# Altium PCB Shield.PcbDoc
Units mm, origin at the board's own origin, x right, y up, seen from the top; angles counter-clockwise.
Board outline 70 x 82.5 mm, 2 copper layers (Top Layer, Bottom Layer), stack 1.584 mm thick; 59 components, 70 nets, 287 pads, 388 vias.
Unrouted connection lines stored in the file: 28.
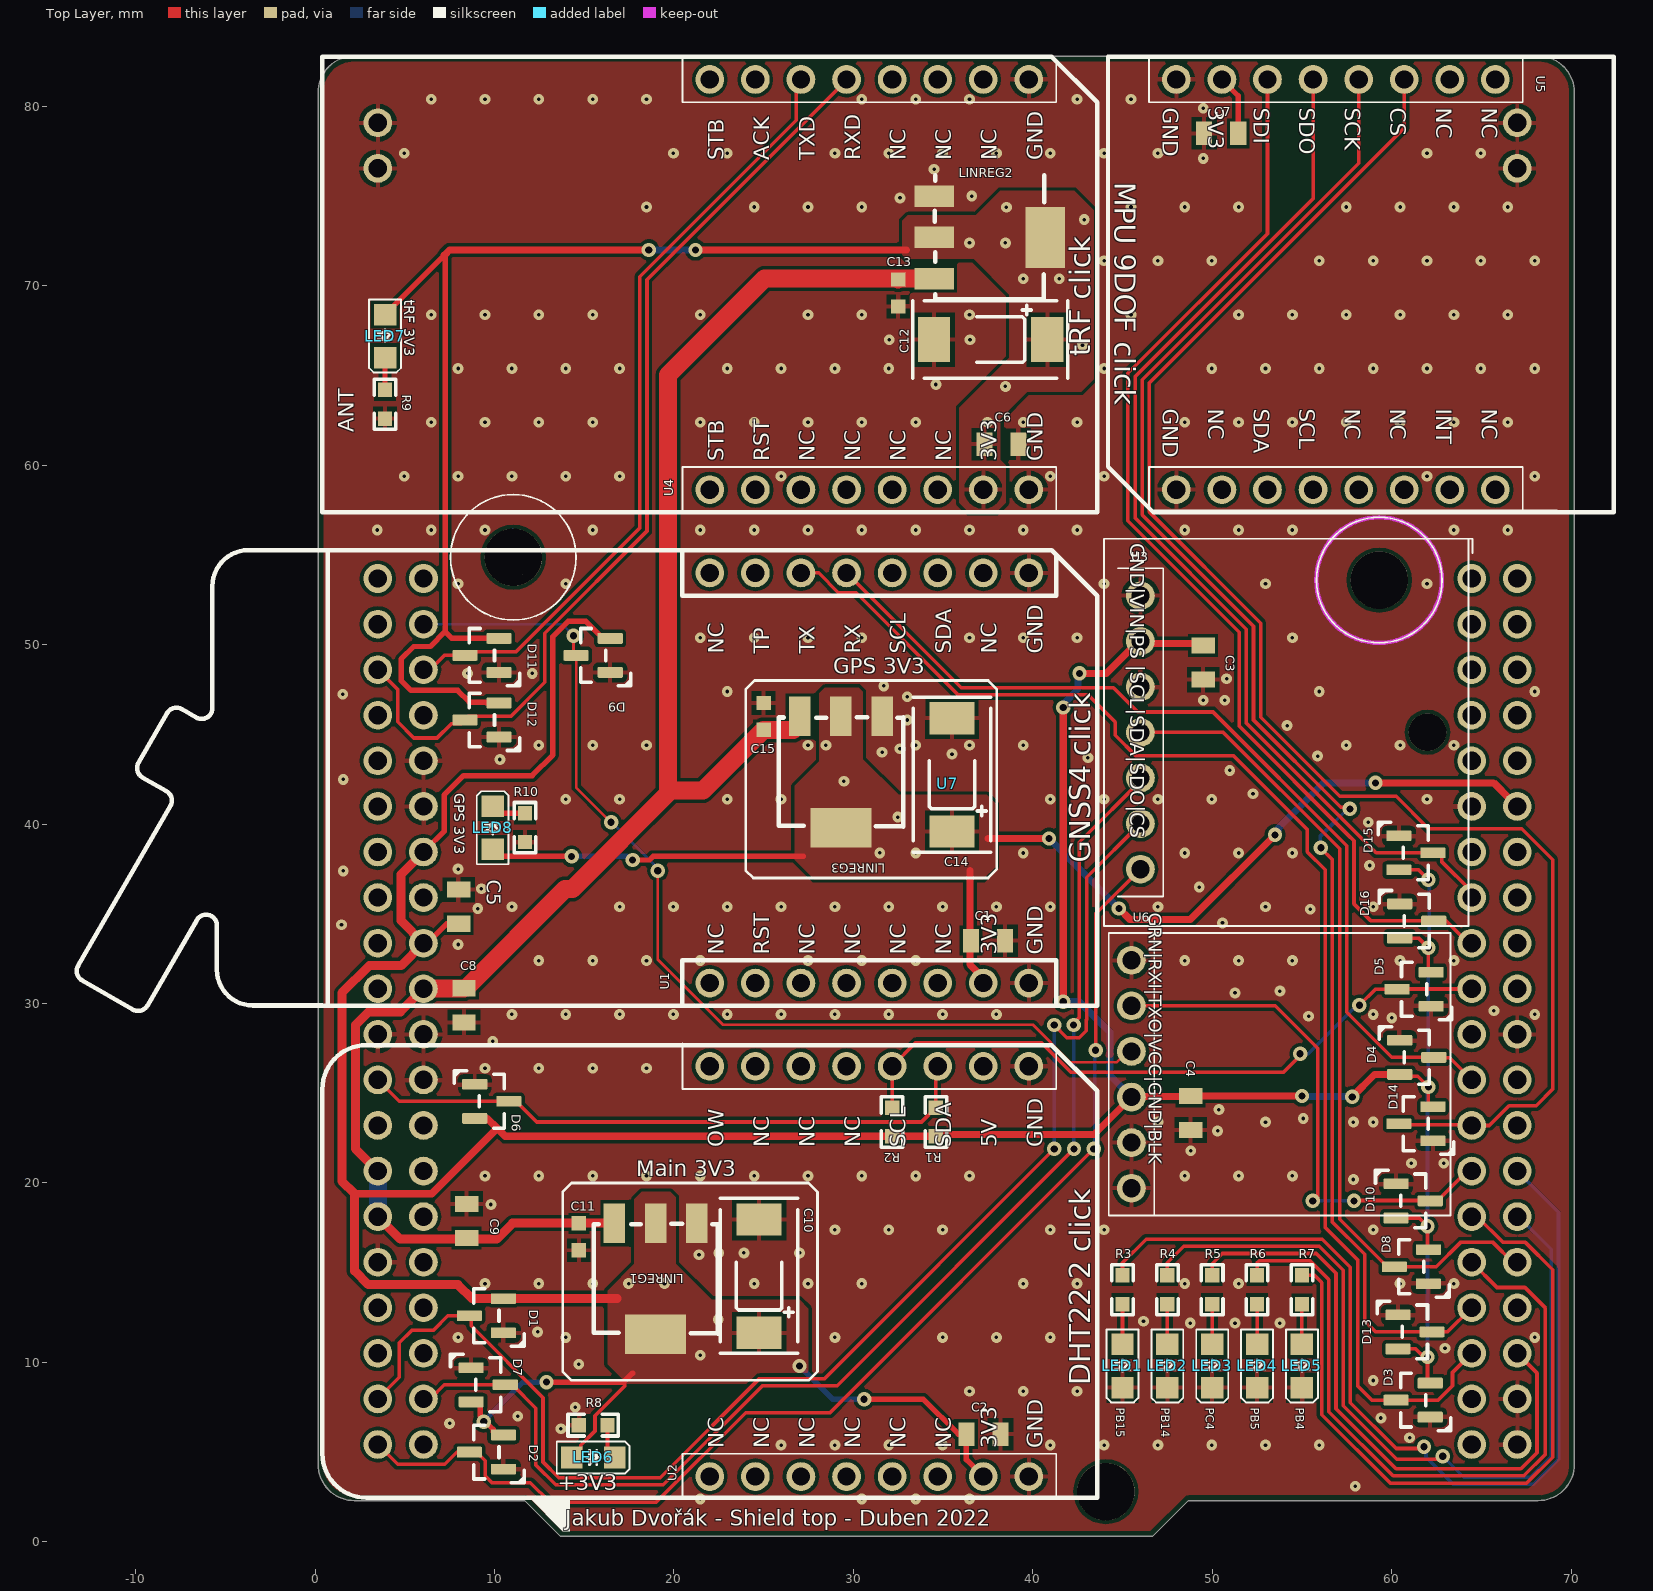
[diagram p0: Top Layer view]
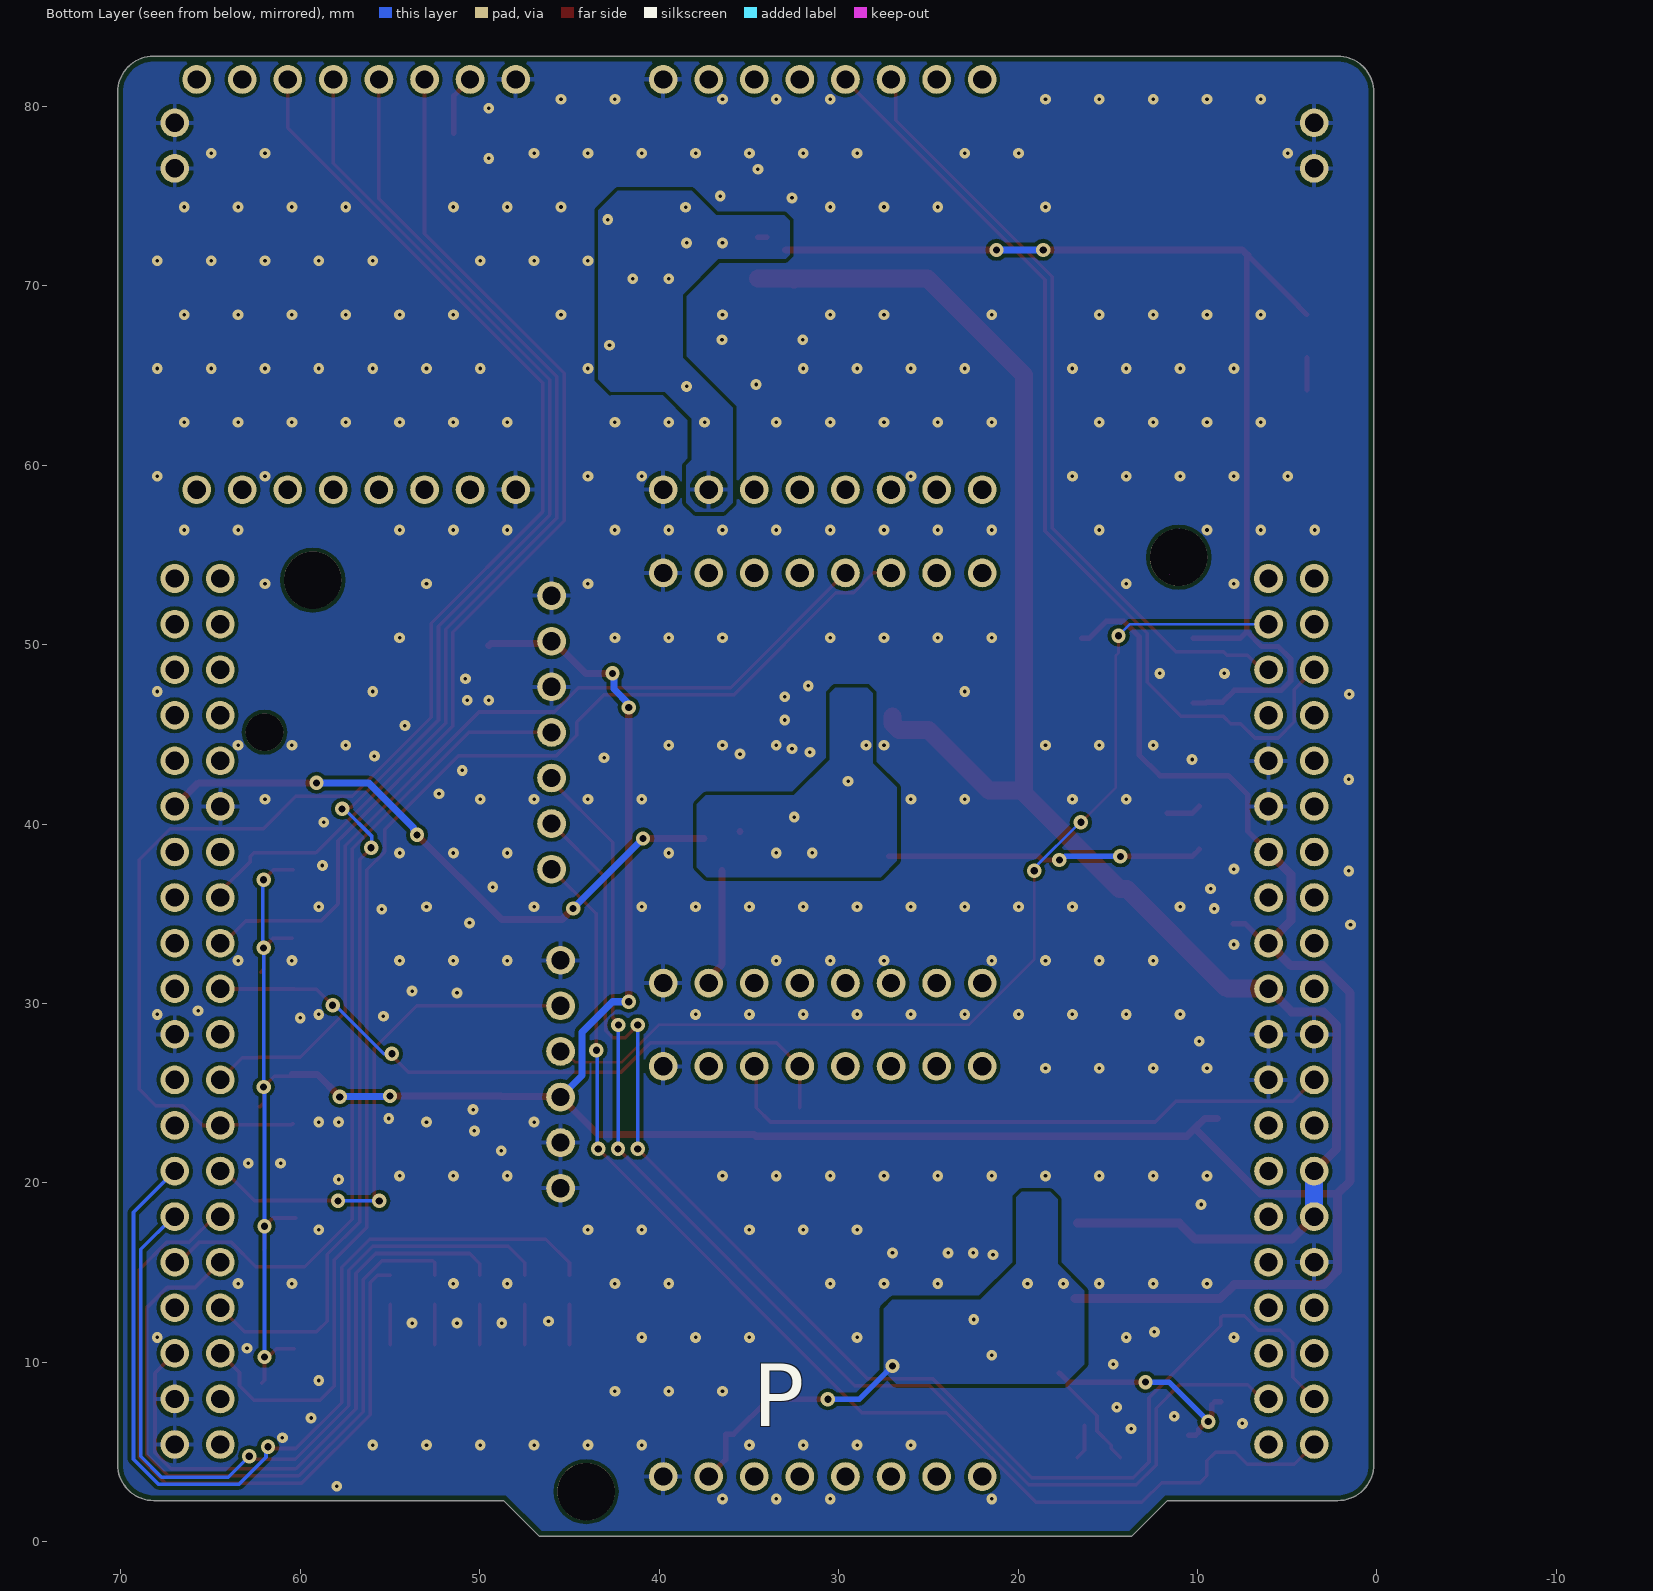
[diagram p1: Bottom Layer view, seen from below]

## Layer stack, top to bottom
Top Solder Mask: solder mask 0.005, Solder Resist, Dk 3.5
Top Layer: signal copper 0.035
Dielectric 1: core 1.514, FR-4, Dk 4.2
Bottom Layer: signal copper 0.035
Botom Solder Mask: solder mask 0.005, Solder Resist, Dk 3.5

## Board outline
2.178,2.3 11.678,2.3 13.678,0.3 46.678,0.3 48.678,2.3 68.178,2.3 ccw(c68.178,4.3) 70.178,4.3 70.178,57.3 70.178,80.8 ccw(c68.178,80.8) 68.178,82.8 2.178,82.8 ccw(c2.178,80.8) 0.178,80.8 0.178,57.3 0.178,4.3 ccw(c2.178,4.3)
cut-out: 11,56.5
cut-out: 11.575,53.9

## Design rules (kind name [scope] priority, off if disabled: settings)
AssemblyTestPointUsage [All] p1 off:
AssemblyTestpoint [All] p1 off: testpointundercomponent=TRUE minsize=1.016 maxsize=2.54 preferedsize=1.524 minholesize=0 maxholesize=1.016 preferedholesize=0.813 testpointgrid=0.025 usegrid=TRUE gridtolerance=0 allowsidetop=TRUE allowsidebottom=TRUE
BoardOutlineClearance X_BoardOutlineClearance [HasFootprint('MOUSE_BITES_3X_2_4MM') or  HasFootprint('MOUSE_BITES_5X_2_4MM') or HasFootprint('IN_TAB_2_4_EXT')] p1: gap=0 ignorepadtopadclearanceinfootprint=FALSE // Excluded components
BoardOutlineClearance [All] p2: gap=0.3 ignorepadtopadclearanceinfootprint=FALSE
Clearance "NPT Hole" [(InPadClass('NPTH'))] p1: gap=0.3 ignorepadtopadclearanceinfootprint=FALSE except(0: Arc-Hole Track-Hole SMDPad-Hole THPad-Hole Via-Hole Fill-Hole Poly-Hole Region-Hole Text-Hole) // Copper Clearance to NPT Hole
Clearance [All] p2: gap=0.2 ignorepadtopadclearanceinfootprint=FALSE except(0: Arc-Hole Track-Hole SMDPad-Hole THPad-Hole Via-Hole Fill-Hole Poly-Hole Region-Hole Text-Hole)
ComponentClearance [Not (HasFootprint('PASTE_STENCIL')) vs Not (HasFootprint('PASTE_STENCIL'))] p1: gap=0 collisioncheckmode=3 verticalgap=0 showdistances=TRUE
FabricationTestPointUsage [All] p1 off: valid=0 allowmultiple=FALSE
FabricationTestpoint [All] p1 off: side=3 testpointundercomponent=TRUE minsize=1.016 maxsize=2.54 preferedsize=1.524 minholesize=0 maxholesize=1.016 preferedholesize=0.813 testpointgrid=0.025 allowsidetop=TRUE allowsidebottom=TRUE usegrid=TRUE gridtolerance=0
Height [All] p1: minheight=0 maxheight=100 prefheight=12.7
HoleSize [All] p1: absolutevalues=TRUE maxlimit=6 minlimit=0.2 maxpercent=80.000 minpercent=20.000
HoleToHoleClearance [All] p1: gap=0.25 allowstackedmicrovias=TRUE
MinimumAnnularRing [All] p1: minimumring=0.2
MinimumSolderMaskSliver [All] p1: minsoldermaskwidth=0.07
PlaneClearance [All] p1: clearance=0.15
PlaneConnect [All] p1: planeconnectstyle=Relief reliefexpansion=0.5 reliefentries=4 reliefconductorwidth=0.25 reliefairgap=0.25
PolygonConnect "Via Connect" [IsVia] p1: connectstyle=Direct reliefconductorwidth=0.254 reliefentries=4 polygonreliefangle="90 Angle" airgapwidth=0.254 // Via connection style
PolygonConnect [All] p2: connectstyle=Relief reliefconductorwidth=0.25 reliefentries=4 polygonreliefangle="90 Angle" airgapwidth=0.25
RoutingCorners [All] p1: cornerstyle=45-Degree minsetback=2.5 maxsetback=2.5
RoutingVias [All] p1: holewidth=0.4 width=0.8 viastyle="Through Hole" minholewidth=0.2 minwidth=0.6 maxholewidth=1 maxwidth=1.6 useviatemplates=TRUE viatemplateguid#1={26E1B80A-D5C0-4505-9623-F9CB59458B7C} viatemplateguid#2={36E1CC21-96E2-49A4-88B6-F2B68A4AE673} viatemplateguid#3={0111366E-BFF6-48C7-B537-6C96D691991D} viatemplateguid#4={0E0C0ADB-85E7-4A3B-837A-9DB01CC425C1} viatemplateguid#5={2AE59D33-7222-4D26-9EBE-4F327D78EEDC} viatemplateguid#6={04F958C5-3098-48F3-841F-9266846BFB57} viatemplateguid#7={3EBD0A92-59C6-4A03-9F1B-9C85124118A6} viatemplateguid#8={D374DE30-929E-4757-A35D-CCDF97954E77} viatemplateguid#9={7387BB7D-B2C7-482F-BFEA-A07FA82CF54E} viatemplatename#1=v50h15m22 viatemplatename#2=v60h20m28 viatemplatename#3=v80h40m48 viatemplatename#4=v110h70m78 viatemplatename#5=v140h90 viatemplatename#6=v160h100m108 viatemplatename#7=v170h110 viatemplatename#8=v200h130 viatemplatename#9=v260h150
SMDEntry [All] p1: side=TRUE corner=FALSE anyangle=FALSE
SMDEntry ResistorArray_Exit [HasFootprint('CAC-50P200X100-8M')] p2: side=TRUE corner=FALSE anyangle=FALSE
SMDToCorner ResistorArray_NeckDown [HasFootprint('CAC-50P200X100-8M')] p1: distance=78740
SilkToSilkClearance [All] p1: silktosilkclearance=0.1
SilkToSolderMaskClearance [IsPad] p1: minsilkscreentomaskgap=0.1 clearancetoexposedcopper=FALSE
SolderMaskExpansion "PTH Via" [IsVia] p1: expansion=0.075 istentingtop=FALSE soldermaskfromhole=TRUE
SolderMaskExpansion [All] p2: expansion=0.1 istentingtop=FALSE
Width [All] p1: maxlimit=5 minlimit=0.15 preferedwidth=0.3
16 further rules are at their usual default settings.

## Classes and differential pairs
component class U_PSU: C10 C11 C12 C13 C14 C15 LED6 LED7 LED8 LINREG1 LINREG2 LINREG3 R8 R9 R10
component class main: C1 C2 C3 C4 C5 C6 C7 C8 C9 D1 D2 D3 D4 D5 D6 D7 D8 D9 D10 D11 D12 D13 D14 D15 D16 LED1 LED2 LED3 LED4 LED5 R1 R2 R3 R4 R5 R6 R7 U1 U2 U3 U4 U5 U6 U7

## Components (designator, comment, footprint, x,y, rotation, side; value= is the part's Value field where it differs from the comment)
C1 "470nF" WCAP-CSGP_0805_L2W1.25H1.25 37.5,33.5 r180 top
C2 "470nF" WCAP-CSGP_0805_L2W1.25H1.25 37.25,6 r180 top
C3 "470nF" WCAP-CSGP_0805_L2W1.25H1.25 49.5,49 r90 top
C4 "470nF" WCAP-CSGP_0805_L2W1.25H1.25 48.8,23.9 r90 top
C5 "22uF" WCAP-CSGP_0805_L2W1.25H1.25 8,35.4 r270 top
C6 "470nF" WCAP-CSGP_0805_L2W1.25H1.25 38.25,61.175 r180 top
C7 "470nF" WCAP-CSGP_0805_L2W1.25H1.25 50.5,78.5 r0 top
C8 "22uF" WCAP-CSGP_0805_L2W1.25H1.25 8.3,29.9 r90 top
C9 "22uF" WCAP-CSGP_0805_L2W1.25H1.25 8.45,17.884 r270 top
C10 "22uF" "CAP E-CASE TANTAL" 24.75,11.142 r90 top
C11 "100n" WCAP-CSGP_0603_L1.6W0.8H0.8_Reflow 14.7,17 r90 top
C12 "22uF" "CAP E-CASE TANTAL" 41.322,67 r180 top
C13 "100n" WCAP-CSGP_0603_L1.6W0.8H0.8_Reflow 32.5,69.6 r90 top
C14 "22uF" "CAP E-CASE TANTAL" 35.5,39.078 r90 top
C15 "100n" WCAP-CSGP_0603_L1.6W0.8H0.8_Reflow 25,46 r270 top
D1 "BAV99" SOT95P230X110-3N(SOT23) 9.55,12.6 r180 top
D2 "BAV99" SOT95P230X110-3N(SOT23) 9.55,5 r180 top
D3 "BAV99" SOT95P230X110-3N(SOT23) 61.2,7.9 r180 top
D4 "BAV99" SOT95P230X110-3N(SOT23) 61.4,27 r0 top
D5 "BAV99" SOT95P230X110-3N(SOT23) 61.25,30.8 r180 top
D6 "BAV99" SOT95P230X110-3N(SOT23) 9.85,24.55 r0 top
D7 "BAV99" SOT95P230X110-3N(SOT23) 9.65,8.75 r0 top
D8 "BAV99" SOT95P230X110-3N(SOT23) 61.1,15.334 r180 top
D9 "BAV99" SOT95P230X110-3N(SOT23) 15.5,49.4 r180 top
D10 "BAV99" SOT95P230X110-3N(SOT23) 61.2,19 r0 top
D11 "BAV99" SOT95P230X110-3N(SOT23) 9.3,49.4 r180 top
D12 "BAV99" SOT95P230X110-3N(SOT23) 9.3,45.8 r180 top
D13 "BAV99" SOT95P230X110-3N(SOT23) 61.3,11.7 r0 top
D14 "BAV99" SOT95P230X110-3N(SOT23) 61.35,23.3 r180 top
D15 "BAV99" SOT95P230X110-3N(SOT23) 61.35,38.4 r0 top
D16 "BAV99" SOT95P230X110-3N(SOT23) 61.4,34.6 r0 top
LED1 "red" 0805LEDR 45,9.8 r270 top
LED2 "green" 0805LEDG 47.5,9.8 r270 top
LED3 "blue" 0805LEDB 50,9.8 r270 top
LED4 "yellow" 0805LEDYell 52.5,9.8 r270 top
LED5 "orange" 0805LEDOra 55,9.8 r270 top
LED6 "green" 0805LEDG 15.5,4.7 r0 top
LED7 "green" 0805LEDG 3.9,67.2 r270 top
LED8 "green" 0805LEDG 9.9,39.8 r90 top
LINREG1 "LD1117-3V3" SOT223 21.281,17.759 r180 top
LINREG2 "LD1117-3V3" SOT223 34.5,75 r270 top
LINREG3 "LD1117-3V3" SOT223 31.6,46 r180 top
R1 "Thick film" RES_0603 34.6,23.4 r270 top value=4k7
R2 "Thick film" RES_0603 32.16,23.4 r270 top value=4k7
R3 "Thick film" RES_0603 45,14.05 r90 top value=2k2
R4 "Thick film" RES_0603 47.5,14.05 r90 top value=2k2
R5 "Thick film" RES_0603 50,14.05 r90 top value=2k2
R6 "Thick film" RES_0603 52.5,14.05 r90 top value=2k2
R7 "Thick film" RES_0603 55,14.05 r90 top value=2k2
R8 "Thick film" RES_0603 15.5,6.5 r0 top value=2k2
R9 "Thick film" RES_0603 3.9,63.4 r90 top value=2k2
R10 "Thick film" RES_0603 11.7,39.8 r90 top value=2k2
U1 "GNSS4 cllick" "GNSS4 CLICK" 39.78,31.14 r90 top
U2 "DHT22 2 click" "DHT22 2 CLICK" 39.78,3.64 r90 top
U3 "MS5607" MS5607 46,52.73 r270 top
U4 "tRF click" "TRF CLICK" 39.78,58.64 r90 top
U5 "MPU 9DOF click" "MPU 9DOF CLICK" 48,81.5 r270 top
U6 "OpenLog" OPENLOG 45.5,32.41 r270 top
U7 "NUCLEO F466 MORPHO LEFT" NUCLEO_BOT_PADS 3.5,5.425 r0 top locked

## Footprints (in the part's own frame and the unit in brackets; to place one, negate y for a bottom-side part, rotate by r counter-clockwise, add the part's x,y. Pads: shape width x height; smd on the part's side, far side on the other; paste and mask are expansions set on the pad)
0805LEDB [mm]
  rect 1.2x1.25 smd: A(-1.2,0) K(1.2,0)
  silkscreen extent -2.03,-0.89 2.03,0.89, body extent -1.01,-0.63 1.01,0.62, height 1.1
0805LEDG [mm]
  rect 1.2x1.25 smd: A(-1.2,0) K(1.2,0)
  silkscreen extent -2.03,-0.89 2.03,0.89, body extent -1.01,-0.63 1.01,0.62, height 1.11
0805LEDOra [mm]
  rect 1.2x1.25 smd: A(-1.2,0) K(1.2,0)
  silkscreen extent -2.03,-0.89 2.03,0.89, body extent -1.01,-0.62 1.01,0.63, height 1.1
0805LEDR [mm]
  rect 1.2x1.25 smd: A(-1.2,0) K(1.2,0)
  silkscreen extent -2.03,-0.89 2.03,0.89, body extent -1.01,-0.63 1.01,0.62, height 1.1
0805LEDYell [mm]
  rect 1.2x1.25 smd: A(-1.2,0) K(1.2,0)
  silkscreen extent -2.03,-0.89 2.03,0.89, body extent -1.01,-0.62 1.01,0.63, height 1.1
"CAP E-CASE TANTAL" [mm] "tantal E case"
  rect 1.8x2.5 smd: +(0.508,0) -(6.822,0)
  silkscreen extent -0.64,-2.16 8,2.16, body extent 0.04,-2.15 7.33,2.15, height 4.11
"DHT22 2 CLICK" [mm] "DHT22 click footprint"
  round 1.6 hole 1.02: 1(0,17.78) 2(0,15.24) 3(0,12.7) 4(0,10.16) 5(0,7.62) 6(0,5.08) 7(0,2.54) 8(0,0) 9(22.86,0) 10(22.86,2.54) 11(22.86,5.08) 12(22.86,7.62) 13(22.86,10.16) 14(22.86,12.7) 15(22.86,15.24) 16(22.86,17.78)
  silkscreen extent -1.27,-3.81 24.13,39.37, body extent -1.28,-3.78 24.12,39.22, height 16.69
"GNSS4 CLICK" [mm]
  round 1.6 hole 1.02: 1(0,17.78) 2(0,15.24) 3(0,12.7) 4(0,10.16) 5(0,7.62) 6(0,5.08) 7(0,2.54) 8(0,0) 9(22.86,0) 10(22.86,2.54) 11(22.86,5.08) 12(22.86,7.62) 13(22.86,10.16) 14(22.86,12.7) 15(22.86,15.24) 16(22.86,17.78)
  silkscreen extent -1.55,-3.81 24.13,53.06, body extent -1.36,-3.78 24.13,53.14, height 19.01
"MPU 9DOF CLICK" [mm] "MPU9520 footprint"
  round 1.6 hole 1.02: 1(0,17.78) 2(0,15.24) 3(0,12.7) 4(0,10.16) 5(0,7.62) 6(0,5.08) 7(0,2.54) 8(0,0) 9(22.86,0) 10(22.86,2.54) 11(22.86,5.08) 12(22.86,7.62) 13(22.86,10.16) 14(22.86,12.7) 15(22.86,15.24) 16(22.86,17.78)
  silkscreen extent -1.27,-3.81 24.13,24.38, body extent -1.27,-3.76 24.13,24.44, height 14.08
MS5607 [mm]
  round 1.6 hole 1.02: 1(0,0) 2(2.54,0) 3(5.08,0) 4(7.62,0) 5(10.16,0) 6(12.7,0) 7(15.24,0)
  round 2.1 hole 2.1 unplated: 8(7.614,15.996)
  silkscreen extent -3.18,-2.03 18.41,18.29, body extent -3.17,-2.03 18.42,18.29, height 12.68
NUCLEO_BOT_PADS [mm]
  round 1.6 hole 1.02: 1(0,45.72) 2(0,43.18) 3(0,40.64) 4(0,38.1) 5(0,35.56) 6(0,33.02) 7(0,30.48) 8(0,27.94) 9(0,25.4) 10(0,22.86) 11(0,20.32) 12(0,17.78) 13(0,15.24) 14(0,12.7) 15(0,10.16) 16(0,7.62) 17(0,5.08) 18(0,2.54) 19(0,0) 20(2.54,0) 21(2.54,2.54) 22(2.54,5.08) 23(2.54,7.62) 24(2.54,10.16) 25(2.54,12.7) 26(2.54,15.24) 27(2.54,17.78) 28(2.54,20.32) 29(2.54,22.86) 30(2.54,25.4) 31(2.54,27.94) 32(2.54,30.48) 33(2.54,33.02) 34(2.54,35.56) 35(2.54,38.1) 36(2.54,40.64) 37(2.54,43.18) 38(2.54,45.72) 39(60.96,45.72) 40(60.96,43.18) 41(60.96,40.64) 42(60.96,38.1) 43(60.96,35.56) 44(60.96,33.02) 45(60.96,30.48) 46(60.96,27.94) 47(60.96,25.4) 48(60.96,22.86) 49(60.96,20.32) 50(60.96,17.78) 51(60.96,15.24) 52(60.96,12.7) 53(60.96,10.16) 54(60.96,7.62) 55(60.96,5.08) 56(60.96,2.54) 57(60.96,0) 58(63.5,0) 59(63.5,2.54) 60(63.5,5.08) 61(63.5,7.62) 62(63.5,10.16) 63(63.5,12.7) 64(63.5,15.24) 65(63.5,17.78) 66(63.5,20.32) 67(63.5,22.86) 68(63.5,25.4) 69(63.5,27.94) 70(63.5,30.48) 71(63.5,33.02) 72(63.5,35.56) 73(63.5,38.1) 74(63.5,40.64) 75(63.5,43.18) 76(63.5,45.72) 77(0,71.12) 78(0,73.66) 79(63.5,71.12) 80(63.5,73.66)
  body extent -3.25,-5.07 66.75,78.9, height 1.58
OPENLOG [mm]
  round 1.6 hole 1.02: 1(0,0) 2(2.54,0) 3(5.08,0) 4(7.62,0) 5(10.16,0) 6(12.7,0)
  silkscreen extent -1.52,-1.27 14.22,17.78, body extent -1.52,-1.27 14.22,17.78, height 14.53
RES_0603 [mm]
  rect 0.8x0.8 smd: 1(-0.8,0) 2(0.8,0)
  silkscreen extent -1.4,-0.6 1.4,0.6, body extent -0.78,-0.43 0.78,0.42, height 0.45
SOT95P230X110-3N(SOT23) [mm]
  rrect20% 1.4x0.6 smd: 1(-0.95,0.95) 2(-0.95,-0.95) 3(0.95,0)
  silkscreen extent -2.1,-1.5 0.7,1.7, body extent -1.4,-1.45 1.4,1.45, height 1.3
SOT223 [mm]
  rect 1.2x2.2 smd: 1(0,0) 2(2.3,0) 3(4.6,0)
  rect 3.4x2.2 smd: 2(2.3,6.2)
  silkscreen extent -1.17,0.04 5.76,6.15, body extent -0.96,-0.48 5.54,6.52, height 1.6
"TRF CLICK" [mm] "base footprint w/o model"
  round 1.6 hole 1.02: 1(0,17.78) 2(0,15.24) 3(0,12.7) 4(0,10.16) 5(0,7.62) 6(0,5.08) 7(0,2.54) 8(0,0) 9(22.86,0) 10(22.86,2.54) 11(22.86,5.08) 12(22.86,7.62) 13(22.86,10.16) 14(22.86,12.7) 15(22.86,15.24) 16(22.86,17.78)
  silkscreen extent -1.27,-3.81 24.13,39.37, body extent -1.27,-3.81 24.13,45.69, height 22.56
WCAP-CSGP_0603_L1.6W0.8H0.8_Reflow [mm] "Ceramic Capacitors, body 1.6x0.8mm"
  rect 0.8x0.8 smd: 1(-0.75,0) 2(0.75,0)
  body extent -0.8,-0.4 0.8,0.4, height 0.8
WCAP-CSGP_0805_L2W1.25H1.25 [mm] "Ceramic Capacitors, body 2x1.25mm"
  rect 0.9x1.3 smd: 1(-0.95,0) 2(0.95,0)
  body extent -1,-0.63 1,0.63, height 1.25

## Part data
C1 C2 C3 C4 C6 C7: library part 885012207102, "WCAP-CSGP Multilayer Ceramic Chip Capacitor, General Purpose, size 0805, X7R, 470nF, 50V", Capacitance Tolerance=+/-10%, Isolation Resistance=1.1GOhm, Manufacturer="Wurth Elektronik", Operating Temperature max.=125C, Operating Temperature min.=-55C, Rated Voltage=50V, Capacitance=470nF, Ceramic Type=X7R, ComponentLink1Description="Manufacturer Link", ComponentLink1URL=http://www.we-online.de, ComponentLink2Description=Datasheet, ComponentLink2URL=https://www.we-online.com/catalog/datasheet/885012207102.pdf, Dissipation Factor=3%, Height=1.25mm, Length=2mm, Manufacturer Part Number=885012207102, Mounting Technology=SMT, Packaging="Tape and Reel", Size=0805, Technical Reference=X7R0805474K050DFCT10000, Width=1.25mm
C5 C8 C9: library part 885012107011, "WCAP-CSGP Multilayer Ceramic Chip Capacitor, General Purpose, size 0805, X5R, 22uF, 10V", Capacitance Tolerance=+/-20%, Isolation Resistance=0.005GOhm, Manufacturer="Wurth Elektronik", Operating Temperature max.=85C, Operating Temperature min.=-55C, Rated Voltage=10V, Capacitance=22uF, Ceramic Type=X5R, ComponentLink1Description="Manufacturer Link", ComponentLink1URL=http://www.we-online.de, ComponentLink2Description=Datasheet, ComponentLink2URL=https://www.we-online.com/catalog/datasheet/885012107011.pdf, Dissipation Factor=10%, Height=1.25mm, Length=2mm, Manufacturer Part Number=885012107011, Mounting Technology=SMT, Packaging="Tape and Reel", Size=0805, Technical Reference=X5R0805226M010DFCT10000, Width=1.25mm
C10 C12 C14: library part CAPT_22u_35V_E, "CAPT 22u 35V case-E tatal", Manufacturer="VISHAY SPRAGUE", Manufacturer Part Number=TR3E226K035C0260, Supplier Part Number 1=1754134, ComponentLink1Description=http://www.farnell.com/datasheets/438325.pdf, ComponentLink1URL=http://www.farnell.com/datasheets/438325.pdf, Pricing 1="5=17,858, 50=16,884, 100=16,234, 250=15,585, 400=14,936 (EUR)", RoHS=YES, Stock 1=21, Supplier 1=Farnell
C11 C13 C15: library part 885012206071R, "WCAP-CSGP Multilayer Ceramic Chip Capacitor, General Purpose, size 0603, X7R, 100nF, 25V", Capacitance=100nF, Capacitance Tolerance=+/-10%, Isolation Resistance=5GOhm, Manufacturer="Wurth Elektronik", Operating Temperature max.=125C, Operating Temperature min.=-55C, Rated Voltage=25V, Ceramic Type=X7R, ComponentLink1Description="Manufacturer Link", ComponentLink1URL=http://www.we-online.de, ComponentLink2Description=Datasheet, ComponentLink2URL=https://www.we-online.com/catalog/datasheet/885012206071R.pdf, Dissipation Factor=3.5%, Height=0.8mm, Length=1.6mm, Manufacturer Part Number=885012206071R, Mounting Technology=SMT, Packaging="Tape and Reel", Size=0603, Technical Reference=X7R0603104K025DFCT20000, Width=0.8mm
LED1: library part LEDR_0805
LED2 LED6 LED7 LED8: library part LEDG_0805
LED3: library part LEDB_0805
LED4: library part LEDYell_0805
LED5: library part LEDOra_0805
LINREG1 LINREG2 LINREG3: library part LINREG_ADJ_LM1117DT, "15V 1A Adjustable low drop voltage regulator"
R1 R2: library part RES_4k7_5%_0603, "4700.00", Case [EIA]=0603, Case [Metric]=1608, Power Rating [W]=0.1, Tolerance [%]=±5, Value [Ω]=4700.00
R3 R4 R5 R6 R7 R8 R9 R10: library part RES_2k2_5%_0603, "2200.00", Case [EIA]=0603, Case [Metric]=1608, Power Rating [W]=0.1, Tolerance [%]=±5, Value [Ω]=2200.00
D1 D2 D3 D4 D5 D6 D7 D8 D9 D10 D11 D12 D13 D14 D15 D16: ComponentLink1Description="New link", ComponentLink1URL=C:\Users\Public\Documents\Altium\DSH\EDD+BAV99XX0_OnsemiEN100.PDF

## Free pads (board coordinates)
  round 3.2 hole 3.2 unplated: MH11(11.048,54.87) MH12(59.308,53.6) MH13(44.071,2.801)

## Via types
v1: diameter 0.6, hole 0.2, Top Layer to Bottom Layer, tented both sides, 345 vias
v2: diameter 0.8, hole 0.4, Top Layer to Bottom Layer, tented both sides, 34 vias
v3: diameter 0.8, hole 0.4, Top Layer to Bottom Layer, 5 vias
v4: diameter 1.6, hole 1.02, Top Layer to Bottom Layer, 4 vias

## Nets (pads, with @x,y where several pads share a name; then routed paths per layer and width w, separated by ;. In a path a pad name is that pad's centre, name@x,y a point inside that pad or via, vN(x,y) a via of type N, cw(c..) or ccw(c..) an arc to the next point about the centre after c; other vN are vias at no path point)
3V3_gps: C1.2 C14.+ LED8.A LINREG3.2 U1.7 U7.72 | length 59.2
  Top Layer w0.3: LED8.A 10.3,38.2 v2(14.3,38.2) ; v2(17.7,38) 18.639,38 18.839,38.2 27.2,38.2
  Top Layer w0.4: C14.+ C14.+@35.501,39.584 ; 36.5,37.4 36.5,33.5 36.5,32.168 37.24,31.428 U1.7 ; 37.5,39.2 v2(40.9,39.2) ; v2(44.8,35.3) 45.408,34.692 48.792,34.692 v2@53.525,39.425 ; v2(59.1,42.3) 65.685,42.3 66.608,41.377 U7.72@66.977,41.377
  Bottom Layer w0.3: v2(14.3,38.2) 17.365,38.2 17.565,38 v2(17.7,38)
  Bottom Layer w0.4: v2(40.9,39.2) v2(44.8,35.3) ; v2(53.5,39.4) 53.5,39.508 53.7,39.708 53.7,39.8 56.2,42.3 v2(59.1,42.3)
  other v1: 31.473,38.392 33.473,38.392 32.473,40.392 29.473,42.392 28.473,44.392
3V3_tRF: C6.2 C12.+ D11.2 D12.2 LED7.A LINREG2.2 U4.7 | length 65.6
  Top Layer w0.3: LED7.A 3.925,68.4 4.375,68.85 4.375,68.875 7.25,71.75 7.25,50.729 ; D12.2 9.55,46.75 9.5,46.8 8.6,46.8 7.945,47.455 5.345,47.455 4.8,48 4.8,49.2 5.5,49.9 6.421,49.9 7.25,50.729 ; D11.2 7.629,50.35 7.25,50.729 ; LINREG2.2@34,72.7 LINREG2.2@34.5,72.7
  Top Layer w0.4: 7.2,71.7 7.25,71.75 7.5,72 v2(18.6,72) ; v2(21.2,72) 32.95,72
  Bottom Layer w0.4: v2(18.6,72) v2(21.2,72)
  other v1: 37.473,62.392 38.473,64.392 42.773,66.692 39.473,70.392 41.473,70.392 36.473,72.392 38.473,72.392 42.873,73.692 38.529,74.38
+3V3: C2.2 C3.2 C4.2 C5.2 C10.+ D1.2 D2.2 D3.2 D4.2 D5.2 D6.2 D7.2 D8.2 D9.2 D10.2 D13.2 D14.2 D15.2 D16.2 LED6.A LINREG1.2 R1.2 R2.2 U2.7 U3.2 U6.4 U7.31 U7.33 | length 235.7
  Top Layer w0.2: LED6.A 14.8,5.2 14.8,5.376 15.6,6.176 15.6,7.024 17.25,8.674 17.25,8.85 ; D10.2 61.54,18.05 v2(62,17.59) 62,16.334 D8.2 ; D13.2 61.35,10.75 61.8,10.3 v2(62,10.3) 62,9 D3.2 ; D15.2 61.5,37.45 v2(62.05,36.9) ; D4.2 60.55,25.95 61.45,25.95 v2(62.05,25.35) 62.05,24.45 62.25,24.25 D14.2 ; D16.2 61.5,33.65 v2(62.05,33.1) 62.05,31.9 D5.2
  Top Layer w0.3: U7.33@6.195,38.6 7.19,39.595 7.19,41.61 8.28,42.7 12.1,42.7 13.25,43.85 13.25,50.448 14.102,51.3 15.1,51.3 16.05,50.35 D9.2 ; U7.31@6.3,33.6 6.5,33.6 7.35,34.45 C5.2 ; D7.2 9.04,7.8 9.213,7.627 9.213,6.987 v2@9.4,6.8 ; v2(9.4,6.7) v2@9.4,6.8 ; D2.2 10.1,5.95 9.927,6.123 9.927,6.273 v2@9.4,6.8 ; v2(12.9,8.9) 17.2,8.9 17.7,9.4 ; v2(30.6,7.942) 33.908,7.942 35.85,6 C2.2 36.3,4.58 U2.7
  Top Layer w0.4: 2.2,19.4 6.5,19.4 10.15,23.05 ; D6.2 9.6,23.6 10.15,23.05 ; v2(41.697,46.5) 41.7,46.497 v2(41.7,30.1) ; v2(42.6,48.4) 44.1,48.4 45.89,50.19 U3.2 46.12,50.07 49.38,50.07 C3.2 ; U6.4 U6.4@45.53,24.82 ; v2(55,24.85) C4.2 48.77,24.82 U6.4@45.53,24.82 ; v2(57.8,24.8) 59.05,26.05 D4.2 ; 10.15,23.05 10.6,22.6 R2.2 R1.2 34.7,22.7 43.41,22.7 U6.4@45.53,24.82
  Top Layer w0.5: U7.33 4.79,37.195 4.79,34.615 U7.31 4.79,32.115 3.022,32.115 1.5,30.593 1.5,20.1 2.2,19.4 2.2,15.1 2.965,14.335 7.965,14.335 8.75,13.55 D1.2 16.817,13.55
  Bottom Layer w0.2: v2(62,10.3) 62,25.3 v2(62.05,25.35) v2(62.05,33.1) 62.1,33.15 62.1,36.85 v2(62.05,36.9)
  Bottom Layer w0.3: v2(9.4,6.7) 11.6,8.9 v2(12.9,8.9) ; v2(27,9.8) 28.858,7.942 v2(30.6,7.942)
  Bottom Layer w0.4: v2(41.697,46.5) 41.697,46.697 42.523,47.523 42.523,48.323 v2(42.6,48.4) ; v2(41.7,30.1) 42.6,30.1 43.3,29.4 44.3,28.4 44.3,25.99 U6.4 ; v2(55,24.85) 55.025,24.825 57.775,24.825 v2(57.8,24.8)
  other v1: 21.473,10.392 22.473,12.392 17.473,14.392 19.473,14.392
+5V: C8.2 C9.2 C11.2 C13.2 C15.2 LINREG1.3 LINREG2.3 LINREG3.3 U7.13 U7.14 U7.30 | length 97.3
  Top Layer w0.5: U7.14 4.75,16.875 10.122,16.875 11.006,17.759 LINREG1.3 ; U7.13 2.25,21.915 2.25,28.803 2.982,29.535 4.75,29.535 U7.30
  Top Layer w1: U7.30 6.052,30.837 8.288,30.837 C8.2 ; C8.2@8.45,30.9 13.936,36.386 14.342,36.386 19.828,41.872 21.622,41.872 C15.2 26.65,45.25 27,45.6 LINREG3.3 ; 19.675,42.025 19.675,65.025 25.05,70.4 C13.2@32.5,70.4 ; C13.2 C13.2@32.5,70.4 ; LINREG2.3 C13.2@32.5,70.4
  Bottom Layer w1: U7.14 U7.13
AGND: U7.61
AVDD: U7.42
BOOT0: U7.4
E5V: U7.36
GND: C1.1 C2.1 C3.1 C4.1 C5.1 C6.1 C7.1 C8.1 C9.1 C10.- C11.1 C12.- C13.1 C14.- C15.1 D1.1 D2.1 D3.1 D4.1 D5.1 D6.1 D7.1 D8.1 D9.1 D10.1 D11.1 D12.1 D13.1 D14.1 D15.1 D16.1 LED1.K LED2.K LED3.K LED4.K LED5.K LINREG1.1 LINREG2.1 LINREG3.1 R8.1 R9.1 R10.1 U1.8 U1.9 U2.8 U2.9 U3.1 U3.3 U4.8 U4.9 U5.8 U5.9 U6.1 U6.5 U6.6 U7.10 U7.15 U7.28 U7.29 U7.34 U7.35 U7.43 U7.58 U7.59 U7.67 U7.77 U7.78 U7.79 U7.80
  other v1: 21.472,2.392 30.472,2.392 33.472,2.392 36.472,2.392 57.972,3.092 25.972,5.392 28.972,5.392 31.972,5.392 34.972,5.392 40.972,5.392 43.972,5.392 46.972,5.392 49.972,5.392 52.972,5.392 55.972,5.392 61,5.8 13.7,6.3 7.5,6.6 59.4,6.9 11.3,7 14.5,7.5 36.472,8.392 39.472,8.392 42.472,8.392 58.972,8.992 14.7,9.9 62.972,10.792 7.972,11.392 13.972,11.392 28.972,11.392 34.972,11.392 37.972,11.392 40.972,11.392 67.972,11.392 12.4,11.7 48.772,12.192 51.272,12.192 53.772,12.192 46.172,12.292 9.472,14.392 12.472,14.392 15.472,14.392 24.472,14.392 27.472,14.392 30.472,14.392 39.472,14.392 42.472,14.392 48.472,14.392 51.472,14.392 60.472,14.392 63.472,14.392 21.4,16 22.5,16.1 23.9,16.1 27,16.1 28.972,17.392 31.972,17.392 34.972,17.392 40.972,17.392 43.972,17.392 58.972,17.392 9.8,18.8 57.872,20.192 9.472,20.392 12.472,20.392 15.472,20.392 18.472,20.392 21.472,20.392 24.472,20.392 27.472,20.392 30.472,20.392 33.472,20.392 36.472,20.392 48.472,20.392 51.472,20.392 54.472,20.392 61.1,21.1 62.9,21.1 48.8,21.8 50.3,22.9 46.972,23.392 52.972,23.392 57.872,23.392 58.972,23.392 55.072,23.592 50.372,24.092 9.472,26.392 12.472,26.392 15.472,26.392 18.472,26.392 9.9,27.9 60,29.2 55.372,29.292 10.972,29.392 13.972,29.392 16.972,29.392 19.972,29.392 22.972,29.392 25.972,29.392 28.972,29.392 31.972,29.392 34.972,29.392 37.972,29.392 58.972,29.392 67.972,29.392 65.7,29.6 51.272,30.592 53.772,30.692 12.472,32.392 15.472,32.392 18.472,32.392 21.472,32.392 27.472,32.392 30.472,32.392 33.472,32.392 48.472,32.392 51.472,32.392 54.472,32.392 60.472,32.392 63.472,32.392 7.972,33.292 1.472,34.392 50.572,34.492 55.46,35.261 9.072,35.292 10.972,35.392 16.972,35.392 19.972,35.392 22.972,35.392 25.972,35.392 28.972,35.392 31.972,35.392 34.972,35.392 37.972,35.392 40.972,35.392 46.972,35.392 52.972,35.392 58.972,35.392 9.272,36.392 49.272,36.492 1.572,37.392 7.972,37.492 58.772,37.692 39.472,38.392 48.472,38.392 51.472,38.392 54.472,38.392 58.7,40.1 13.972,41.392 16.972,41.392 22.972,41.392 25.972,41.392 40.972,41.392 43.972,41.392 46.972,41.392 49.972,41.392 61.972,41.392 52.272,41.692 1.572,42.492 50.972,42.992 10.3,43.6 43.072,43.692 55.872,43.792 35.5,43.9 31.6,44 32.6,44.2 12.472,44.392 15.472,44.392 18.472,44.392 27.472,44.392 33.472,44.392 36.472,44.392 39.472,44.392 57.472,44.392 60.472,44.392 63.472,44.392 54.172,45.492 33,45.8 49.5,46.9 50.7,46.9 33,47.1 1.545,47.242 22.972,47.392 55.972,47.392 67.972,47.392 31.7,47.7 50.8,48.1 8.5,48.4 12.1,48.4 21.472,50.392 24.472,50.392 27.472,50.392 30.472,50.392 36.472,50.392 39.472,50.392 42.472,50.392 54.472,50.392 7.972,53.392 13.972,53.392 43.972,53.392 52.972,53.392 61.972,53.392 3.472,56.392 6.472,56.392 9.472,56.392 15.472,56.392 21.472,56.392 24.472,56.392 27.472,56.392 30.472,56.392 33.472,56.392 36.472,56.392 39.472,56.392 42.472,56.392 48.472,56.392 51.472,56.392 54.472,56.392 63.472,56.392 66.472,56.392 4.972,59.392 7.972,59.392 10.972,59.392 13.972,59.392 16.972,59.392 25.972,59.392 40.972,59.392 43.972,59.392 61.972,59.392 67.972,59.392 6.472,62.392 9.472,62.392 12.472,62.392 15.472,62.392 21.472,62.392 24.472,62.392 27.472,62.392 30.472,62.392 33.472,62.392 39.472,62.392 42.472,62.392 48.472,62.392 51.472,62.392 54.472,62.392 57.472,62.392 60.472,62.392 63.472,62.392 66.472,62.392 34.6,64.5 7.972,65.392 10.972,65.392 13.972,65.392 16.972,65.392 22.972,65.392 25.972,65.392 28.972,65.392 31.972,65.392 43.972,65.392 49.972,65.392 52.972,65.392 55.972,65.392 58.972,65.392 61.972,65.392 64.972,65.392 67.972,65.392 32,67 36.5,67 6.472,68.392 9.472,68.392 12.472,68.392 15.472,68.392 21.472,68.392 27.472,68.392 30.472,68.392 36.472,68.392 45.472,68.392 51.472,68.392 54.472,68.392 57.472,68.392 60.472,68.392 63.472,68.392 66.472,68.392 43.972,71.392 46.972,71.392 49.972,71.392 55.972,71.392 58.972,71.392 61.972,71.392 64.972,71.392 67.972,71.392 18.472,74.392 24.472,74.392 27.472,74.392 30.472,74.392 45.472,74.392 48.472,74.392 51.472,74.392 57.472,74.392 60.472,74.392 63.472,74.392 66.472,74.392 32.6,74.9 36.6,75 34.5,76.5 49.5,77.1 4.972,77.392 19.972,77.392 22.972,77.392 28.972,77.392 31.972,77.392 34.972,77.392 37.972,77.392 40.972,77.392 43.972,77.392 46.972,77.392 61.972,77.392 64.972,77.392 49.5,79.9 6.472,80.392 9.472,80.392 12.472,80.392 15.472,80.392 18.472,80.392 30.472,80.392 33.472,80.392 36.472,80.392 42.472,80.392 45.472,80.392
NetC7_2: C7.2 U5.7 | length 3.4
  Top Layer w0.3: U5.7 51.45,80.59 C7.2
NetLED1_A: LED1.A R3.1 | length 2.3
  Top Layer w0.2: LED1.A R3.1
NetLED2_A: LED2.A R4.1 | length 2.3
  Top Layer w0.2: LED2.A R4.1
NetLED3_A: LED3.A R5.1 | length 2.3
  Top Layer w0.2: LED3.A R5.1
NetLED4_A: LED4.A R6.1 | length 2.3
  Top Layer w0.2: LED4.A R6.1
NetLED5_A: LED5.A R7.1 | length 2.3
  Top Layer w0.2: LED5.A R7.1
NetLED6_K: LED6.K R8.2 | length 2
  Top Layer w0.2: R8.2 16.3,5.1 LED6.K
NetLED7_K: LED7.K R9.2 | length 1.8
  Top Layer w0.3: R9.2 LED7.K
NetLED8_K: LED8.K R10.2 | length 2
  Top Layer w0.3: LED8.K 10.3,40.6 R10.2
NRST: U7.32
PA0: U7.25
PA1: U7.24
PA2: U7.56
PA3: U7.57 | length 0
  Top Layer w0.2: U7.57@64.445,5.425 U7.57
PA4: U7.23
PA5: U7.44
PA6: D15.3 U5.5 U7.45 | length 59.5
  Top Layer w0.2: U5.5 55.62,74.851 45.7,64.931 45.7,57.066 51.9,50.866 51.9,45.631 59.131,38.4 62.583,38.4 62.783,38.2 62.783,37.917 64.46,36.24 U7.45
PA7: D16.3 U5.6 U7.46 | length 61.8
  Top Layer w0.2: U5.6 53.08,72.901 45.3,65.121 45.3,56.9 51.5,50.7 51.5,45.466 57.6,39.366 57.9,39.066 57.9,35.55 58.825,34.625 D16.3@62.325,34.625 ; D16.3 63.05,34.6 64.285,33.365 U7.46
PA8: D14.3 U5.3 U7.50 | length 85.8
  Top Layer w0.2: D14.3 60.45,23.3 60.498,23.253 U7.50@64,23.253 ; U5.3 60.7,78.8 46.5,64.6 46.5,57.397 52.7,51.197 52.7,45.963 57.113,41.55 60.25,41.55 62.05,39.75 67.251,39.75 68.987,38.013 68.987,25.237 68.055,24.305 66.544,24.305 65.444,23.205 U7.50 64.413,23.253 U7.50@64.176,23.253 ; U7.50@64,23.3 U7.50@64.176,23.3
PA9: D4.3 U1.13 U7.49 | length 52
  Top Layer w0.2: U1.13 36.02,47.6 44.494,47.6 45.845,46.249 50.047,46.249 57.5,38.796 57.5,29.511 60.011,27 D4.3 62.378,26.972 63.233,26.972 U7.49
PA10: D3.3 U1.14 U7.55 | length 74.9
  Top Layer w0.2: U1.14 28.064,54 29.164,52.9 30.154,52.9 35.854,47.2 43.087,47.2 44.6,45.687 44.6,44.954 45.754,43.8 51.2,43.8 55.3,39.7 55.3,38.45 56.3,37.45 56.3,17.519 58.1,15.719 58.1,8.7 58.9,7.9 D3.3 62.589,7.9 63.391,8.702 63.391,9.436 U7.55
PA11: U7.70
PA12: U7.71
PA13: U7.7
PA14: U7.8
PA15: U7.9
PB0: U7.22
PB1: U7.65
PB2: U7.66
PB3: D13.3 U5.4 U7.54 | length 87.8
  Top Layer w0.2: v2(56.057,38.683) 56.057,38.653 56.7,38.01 56.7,17.819 58.5,16.019 58.5,12.3 59.1,11.7 D13.3 63.115,11.7 U7.54 ; v2(57.671,40.85) 57.588,40.933 57.164,40.933 56.997,41.1 52.3,45.797 52.3,51.031 47.531,55.8 46.1,57.231 46.1,64.766 58.16,76.826 U5.4
  Bottom Layer w0.2: v2(56.057,38.683) 56.032,38.708 56.032,39.342 57.49,40.8 57.621,40.8 v2(57.671,40.85)
PB4: R7.2 U7.52 | length 39.9
  Top Layer w0.2: R7.2 55.7,14.85 56.1,14.45 56.1,7.089 59.914,3.274 67.536,3.274 68.972,4.71 68.972,15.169 67.456,16.685 66.215,16.685 64.775,18.125 U7.52
PB5: R6.2 U7.53 | length 39.9
  Top Layer w0.2: R6.2 52.5,15.55 52.617,15.667 55.449,15.667 56.5,14.616 56.5,7.254 60.08,3.674 67.371,3.674 68.572,4.875 68.572,13.029 67.428,14.173 65.872,14.173 U7.53
PB6: D5.3 R2.1 U2.12 U7.47 | length 37.8
  Top Layer w0.2: R2.1 U2.12 33.485,27.825 40.475,27.825 42.12,26.18 53.98,26.18 54.9,27.1 v2(54.9,27.2) ; v2(58.2,29.9) 59.1,30.8 D5.3 60.313,30.812 64.447,30.812 U7.47
  Bottom Layer w0.2: v2(54.9,27.2) 55.35,27.2 58.05,29.9 v2(58.2,29.9)
PB7: D6.3 R1.1 U2.11 U7.11 | length 34.7
  Top Layer w0.2: U7.11 4.695,24.55 D6.3 11.2,24.55 12.35,23.4 33.8,23.4 R1.1 34.6,26.4 U2.11
PB8: U7.40
PB9: U7.41
PB10: D10.3 U6.2 U7.51 | length 30
  Top Layer w0.2: U6.2 53.52,29.87 55.881,27.509 v2@55.881,19.019 ; v2@55.881,19 v2(55.6,19) 55.8,19 v2@55.9,19 ; v2(57.9,19) 57.924,19.024 62.126,19.024 D10.3 62.55,19 64.215,20.665 U7.51
  Bottom Layer w0.2: v2(55.6,19) 55.955,19 v2(57.9,19)
PB12: U7.69
PB13: D8.3 U3.4 U7.62 | length 46.4
  Top Layer w0.2: U3.4 50.62,45.11 57.1,38.63 57.1,17.984 59.75,15.334 62.489,15.334 63.84,16.685 65.649,16.685 66.749,15.585 U7.62
PB14: R4.2 U7.63 | length 47
  Top Layer w0.2: R4.2 47.5,15.55 48.417,16.467 55.963,16.467 57.3,15.13 57.3,7.586 60.286,4.6 62.513,4.6 62.687,4.774 v3(62.85,4.774)
  Bottom Layer w0.2: v3(62.85,4.774) 64.024,3.6 67.734,3.6 68.9,4.766 68.9,16.3 67.075,18.125 U7.63
PB15: R3.2 U7.64 | length 53.6
  Top Layer w0.2: R3.2 45,15.55 46.317,16.867 56.128,16.867 57.7,15.296 57.7,7.751 60.251,5.2 61.7,5.2 v3(61.8,5.3)
  Bottom Layer w0.2: v3(61.8,5.3) 61.915,5.185 61.915,4.719 63.434,3.2 67.9,3.2 69.3,4.6 69.3,18.365 U7.64
PC0: U7.20
PC1: D7.3 U3.5 U7.21 | length 70.8
  Top Layer w0.2: U7.21 6.419,7.965 7.204,8.75 11,8.75 12.305,7.445 12.305,4.28 13.41,3.175 19.409,3.175 24.934,8.7 29.1,8.7 v2(42.3,21.9) ; v2(42.278,28.8) 42.278,28.905 42.59,29.217 42.59,38.99 U3.5@46.2,42.6
  Bottom Layer w0.2: v2(42.278,28.8) 42.289,28.789 42.289,21.911 v2(42.3,21.9)
PC2: D1.3 U3.6 U7.18 | length 76.4
  Top Layer w0.2: U7.18 4.7,9.165 4.7,11.1 5.4,11.8 6.6,11.8 7.4,12.6 D1.3 8.7,12.5 8.7,12.039 12.705,8.034 12.705,4.446 13.576,3.575 19.244,3.575 24.769,9.1 28.4,9.1 v2(41.2,21.9) ; v2(41.2,28.8) 41.9,28.1 42.59,28.1 42.978,28.488 42.978,29.09 43,29.112 43,37.03 U3.6
  Bottom Layer w0.2: v2(41.2,21.9) v2(41.2,28.8)
PC3: D2.3 U3.7 U7.19 | length 67.1
  Top Layer w0.2: U7.19 4.6,4.325 7.225,4.325 7.9,5 D2.3 9,5 9.483,4.517 9.483,3.678 9.861,3.3 12,3.3 13.1,2.2 19,2.2 24,7.2 28.7,7.2 v2(43.4,21.9) ; v2(43.5,27.4) 43.5,34.99 43.6,35.09 U3.7
  Bottom Layer w0.2: v2(43.4,21.9) 43.45,21.95 43.45,27.35 v2(43.5,27.4)
PC4: R5.2 U7.60 | length 34.7
  Top Layer w0.2: R5.2 50,15.5 50.567,16.067 55.797,16.067 56.9,14.964 56.9,7.42 60.246,4.074 67.205,4.074 68.1,4.969 68.1,9.405 U7.60
PC5: U7.74
PC6: U7.75
PC7: U7.48
PC8: U7.76
PC9: U7.39
PC10: U7.1
PC11: D9.3 U6.3 U7.38 | length 57.6
  Top Layer w0.15: v3(14.4,50.5) 14.4,49.55 D9.3 14.55,42.05 v3(16.5,40.1) ; v3(19.1,37.4) 19.1,32.45 22.733,28.817 40.014,28.817 42.105,26.725 44.655,26.725 45.261,27.33 U6.3
  Bottom Layer w0.15: U7.38@6.1,51.2 6.155,51.145 13.755,51.145 v3(14.4,50.5) ; v3(16.5,40.1) 16.554,40.1 19.1,37.554 v3(19.1,37.4)
PC12: D12.3 U4.13 U7.2 | length 53.8
  Top Layer w0.2: U7.2 4.6,47.505 4.6,45.7 5.5,44.8 6.8,44.8 7.6,45.6 8.15,45.6 8.55,46 10.9,46 12.8,47.9 12.8,50.634 18.5,56.334 18.5,70.344 29.62,81.464 U4.13
PC13: U7.12
PD2: D11.3 U4.14 U7.37 | length 44
  Top Layer w0.2: U7.37 6.406,48.605 7.201,49.4 D11.3 8.55,49.6 11.2,49.6 18.1,56.5 18.1,70.51 26.812,79.222 26.812,81.232 U4.14
PH1: U7.16
U5V: U7.73
VBAT/VLCD: U7.17
VDD: U7.3
VIN: U7.27
pads on no net: U1.1 U1.2 U1.3 U1.4 U1.5 U1.6 U1.10 U1.11 U1.12 U1.15 U1.16 U2.1 U2.2 U2.3 U2.4 U2.5 U2.6 U2.10 U2.13 U2.14 U2.15 U2.16 U3.8 U4.1 U4.2 U4.3 U4.4 U4.5 U4.6 U4.10 U4.11 U4.12 U4.15 U4.16 U5.1 U5.2 U5.10 U5.11 U5.12 U5.13 U5.14 U5.15 U5.16 U7.5 U7.6 U7.26 U7.68
copper on no net:
  other v4: 3.5,53.685 6.04,53.685 64.46,53.685 67,53.685

## Polygon pours and split planes (outlines as drawn)
GND on Top Layer "GND_L01_P008" (solid, remove dead copper, pour order 8): 77.003,87.002 77.003,-1.998 76.003,-2.998 -4.997,-2.998 -4.997,87.002
no net on Top Layer "NONET_L01_P007" (solid, remove dead copper, pour order 7): 48,81.5
no net on Top Layer "NONET_L01_P005" (solid, remove dead copper, pour order 5): -0.9,84.9
no net on Top Layer "NONET_L01_P001" (solid, remove dead copper, pour order 1): 23.2,13.9
+3V3 on Top Layer "+3V3_L01_P002" (solid, remove dead copper, pour order 2): 17.8,19.1 18.2,19.5 19.8,19.5 20.1,19.2 20.1,15.5 22.1,13.5 27,13.5 27.5,13 27.5,9.5 26.8,8.8 17.4,8.8 16.3,9.9 16.3,14 17.8,15.5
3V3_gps on Top Layer "3V3_GPS_L01_P003" (solid, remove dead copper, pour order 3): 28.1,47.3 28.4,47.6 30.3,47.6 30.525,47.375 30.525,43.625 32.525,41.625 37.425,41.625 37.925,41.125 37.925,37.625 37.225,36.925 27.825,36.925 26.725,38.025 26.725,42.125 28.1,43.5
3V3_tRF on Top Layer "3V3_TRF_L01_P004" (solid, remove dead copper, pour order 4): 38.7,66 35.9,63.2 35.9,57.9 36.4,57.4 38,57.4 38.5,57.9 38.5,60 38.2,60.3 38.2,62.6 39.7,64.1 42.7,64.1 43.4,64.8 43.4,74.2 42.3,75.3 38.2,75.3 36.825,73.925 33.025,73.925 32.725,73.625 32.725,71.725 32.95,71.5 36.7,71.5 38.7,69.5
3V3_tRF on Bottom Layer "3V3_TRF_L02_P010" (solid, remove dead copper, pour order 10): 38.7,66 35.9,63.2 35.9,57.9 36.4,57.4 38,57.4 38.5,57.9 38.5,60 38.2,60.3 38.2,62.6 39.7,64.1 42.7,64.1 43.4,64.8 43.4,74.2 42.3,75.3 38.2,75.3 36.825,73.925 33.025,73.925 32.725,73.625 32.725,71.725 32.95,71.5 36.7,71.5 38.7,69.5
3V3_gps on Bottom Layer "3V3_GPS_L02_P009" (solid, remove dead copper, pour order 9): 28.1,47.3 28.4,47.6 30.2,47.6 30.5,47.3 30.5,43.6 32.5,41.6 37.4,41.6 37.9,41.1 37.9,37.6 37.35,37.05 27.65,37.05 26.75,37.95 26.75,42.05 28.1,43.4
+3V3 on Bottom Layer "+3V3_L02_P006" (solid, remove dead copper, pour order 6): 17.8,19.1 18.2,19.5 19.8,19.5 20.1,19.2 20.1,15.5 22.1,13.5 27,13.5 27.5,13 27.5,9.5 26.8,8.8 17.4,8.8 16.3,9.9 16.3,14 17.8,15.5
GND on Bottom Layer "GND_L02_P012" (solid, remove dead copper, pour order 12): 77,87 77,-2 76,-3 -5,-3 -5,87

## Keep-outs
Top Layer:
  circle w0.254: c59.3,53.6 r3.5

## Silkscreen, mask and mechanical layers (free items; w line width, h text height)
Top Silkscreen:
  circle w0.1: c59.308,53.6 r3.5
  circle w0.1: c11.048,54.87 r3.5
  region: 13.8,0.6 11.9,2.5 14.2,2.5 14.2,0.6
  lines w0.1: 62,55.9 64.5,55.9 64.5,55.1
  lines w0.15: 24.5,48 37.514,48 38,47.514 38,37.49 37.51,37 24.425,37 24,37.425 24,47.5 24.5,48 ; 24.5,48 24.5,48 ; 13.8,9.5 13.8,19.5 14.3,20 19,20 27.5,20 28,19.5 28,9.5 27.5,9 14.3,9 13.8,9.5
  lines w0.245: 0.7,29.87 0.7,55.27
  lines w0.254: 46.7,57.4 69.2,57.4
  text "tRF 3V3" at 4.764,69.217 h1 r270
  text "GPS 3V3" at 28.887,48.064 h1.5
  text "GPS 3V3" at 7.564,41.707 h1 r270
  text "Main 3V3" at 17.887,20.064 h1.5
  text "PB15" at 44.48,7.486 h0.8 r270
  text "PB14" at 46.98,7.486 h0.8 r270
  text "PC4" at 49.48,7.486 h0.8 r270
  text "PB5" at 51.98,7.486 h0.8 r270
  text "PB4" at 54.48,7.486 h0.8 r270
  text "+3V3" at 13.525,2.58 h1.5
  text "Jakub Dvořák - Shield top - Duben 2022" at 13.95,0.6 h1.5
Bottom Silkscreen:
  text "P" at 34.8,5.3 h6
Panel Outline:
  circle w0.1: c11.048,54.87 r1.636
  circle w0.1: c59.308,53.6 r1.636
  circle w0.1: c44.068,2.8 r1.636
  lines w0.1: 70.178,58.3 70.178,80.8 ccw(c68.178,80.8) 68.178,82.8 2.178,82.8 ccw(c2.178,80.8) 0.178,80.8 0.178,58.3 0.178,57.3 0.178,4.3 ccw(c2.178,4.3) 2.178,2.3 11.678,2.3 13.678,0.3 46.678,0.3 48.678,2.3 68.178,2.3 ccw(c68.178,4.3) 70.178,4.3 70.178,57.3 70.178,58.301

## Text inside footprints (layer, text, board x,y; h text height)
U1: Top Silkscreen "GNSS4 click" at 43.604,37.84 h2 r90; Top Silkscreen "NC" at 35.772,32.724 h1.5 r90; Top Silkscreen "3V3" at 38.312,32.724 h1.5 r90; Top Silkscreen "NC" at 28.152,32.724 h1.5 r90; Top Silkscreen "NC" at 30.692,32.724 h1.5 r90; Top Silkscreen "NC" at 23.072,32.724 h1.5 r90; Top Silkscreen "GND" at 40.852,32.724 h1.5 r90; Top Silkscreen "RST" at 25.612,32.724 h1.5 r90; Top Silkscreen "NC" at 33.232,32.724 h1.5 r90; Top Silkscreen "SDA" at 35.772,49.504 h1.5 r90; Top Silkscreen "NC" at 38.312,49.504 h1.5 r90; Top Silkscreen "TX" at 28.152,49.504 h1.5 r90; Top Silkscreen "RX" at 30.692,49.504 h1.5 r90; Top Silkscreen "NC" at 23.072,49.504 h1.5 r90; Top Silkscreen "GND" at 40.852,49.504 h1.5 r90; Top Silkscreen "TP" at 25.612,49.504 h1.5 r90; Top Silkscreen "SCL" at 33.232,49.504 h1.5 r90
U2: Top Silkscreen "SCL" at 33.232,22.004 h1.5 r90; Top Silkscreen "NC" at 25.612,22.004 h1.5 r90; Top Silkscreen "GND" at 40.852,22.004 h1.5 r90; Top Silkscreen "OW" at 23.072,22.004 h1.5 r90; Top Silkscreen "NC" at 30.692,22.004 h1.5 r90; Top Silkscreen "NC" at 28.152,22.004 h1.5 r90; Top Silkscreen "5V" at 38.312,22.004 h1.5 r90; Top Silkscreen "SDA" at 35.772,22.004 h1.5 r90; Top Silkscreen "NC" at 33.232,5.224 h1.5 r90; Top Silkscreen "NC" at 25.612,5.224 h1.5 r90; Top Silkscreen "GND" at 40.852,5.224 h1.5 r90; Top Silkscreen "NC" at 23.072,5.224 h1.5 r90; Top Silkscreen "NC" at 30.692,5.224 h1.5 r90; Top Silkscreen "NC" at 28.152,5.224 h1.5 r90; Top Silkscreen "3V3" at 38.312,5.224 h1.5 r90; Top Silkscreen "NC" at 35.772,5.224 h1.5 r90
U3: Top Silkscreen "GND|VIN|PS |SCL|SDA|SDO|CS" at 45.157,55.647 h1.35 r270
U4: Top Silkscreen "ANT" at 2.452,61.84 h1.5 r90; Top Silkscreen "NC" at 35.772,77.004 h1.5 r90; Top Silkscreen "NC" at 38.312,77.004 h1.5 r90; Top Silkscreen "TXD" at 28.152,77.004 h1.5 r90; Top Silkscreen "RXD" at 30.692,77.004 h1.5 r90; Top Silkscreen "STB" at 23.072,77.004 h1.5 r90; Top Silkscreen "GND" at 40.852,77.004 h1.5 r90; Top Silkscreen "ACK" at 25.612,77.004 h1.5 r90; Top Silkscreen "NC" at 33.232,77.004 h1.5 r90; Top Silkscreen "NC" at 33.232,60.224 h1.5 r90; Top Silkscreen "RST" at 25.612,60.224 h1.5 r90; Top Silkscreen "GND" at 40.852,60.224 h1.5 r90; Top Silkscreen "STB" at 23.072,60.224 h1.5 r90; Top Silkscreen "NC" at 30.692,60.224 h1.5 r90; Top Silkscreen "NC" at 28.152,60.224 h1.5 r90; Top Silkscreen "3V3" at 38.312,60.224 h1.5 r90; Top Silkscreen "NC" at 35.772,60.224 h1.5 r90